# Altium PCB HIL_RIG_REV_1_1.PcbDoc (part 3 of 5)
Units mil, origin at the board's own origin, x right, y up, seen from the top; angles counter-clockwise.
Board outline 16250 x 7870 mil, 6 copper layers (Top Layer, Int1 (GND), Int2 (PWR), Int3 (Sign), Int4 (GND), Bottom Layer), stack 60.566 mil thick; 1117 components, 704 nets, 3589 pads, 6 vias.
Unrouted connection lines stored in the file: 2596.
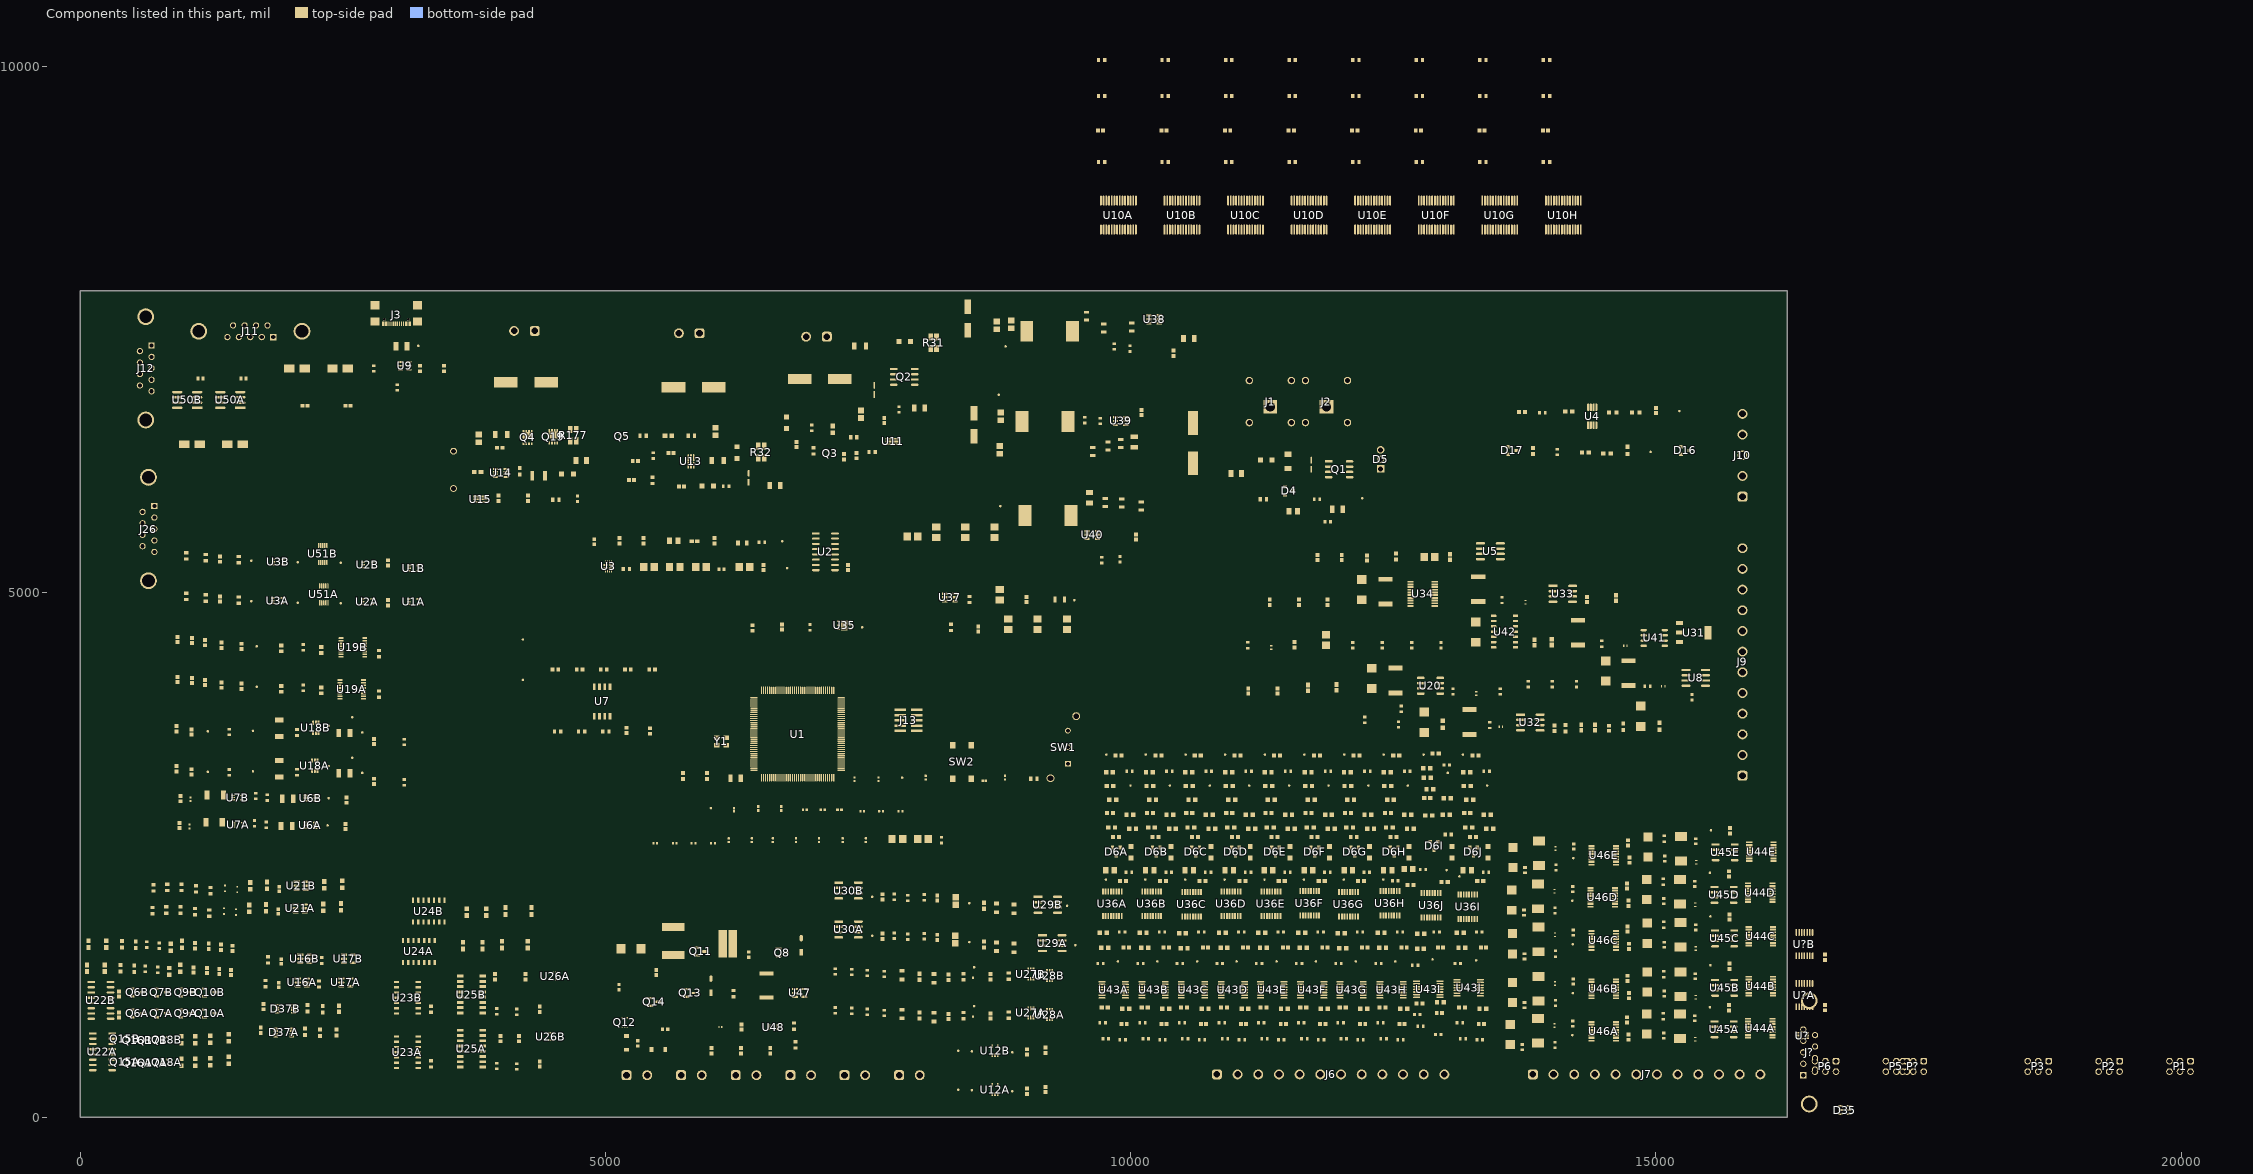
[diagram p5: the components of this part, seen from the top]

## Components (designator, comment, footprint, x,y, rotation, side; value= is the part's Value field where it differs from the comment) (continued)
TP28E "TPAD6R" TP06R 11275,2265 r0 top (schematic designator TP28)
TP28F "TPAD6R" TP06R 11650,2265 r0 top (schematic designator TP28)
TP28G "TPAD6R" TP06R 12030,2265 r0 top (schematic designator TP28)
TP28H "TPAD6R" TP06R 12405,2265 r0 top (schematic designator TP28)
TP28I "TPAD6R" TP06R 13008.7,2355 r0 top (schematic designator TP28)
TP28J "TPAD6R" TP06R 13130.68,2295 r0 top (schematic designator TP28)
TP29A "TPAD6R" TP06R 9999.32,3160 r0 top (schematic designator TP29)
TP29B "TPAD6R" TP06R 10374.32,3160 r0 top (schematic designator TP29)
TP29C "TPAD6R" TP06R 10754.32,3160 r0 top (schematic designator TP29)
TP29D "TPAD6R" TP06R 11129.32,3160 r0 top (schematic designator TP29)
TP29E "TPAD6R" TP06R 11509.32,3160 r0 top (schematic designator TP29)
TP29F "TPAD6R" TP06R 11884.32,3160 r0 top (schematic designator TP29)
TP29G "TPAD6R" TP06R 12264.32,3160 r0 top (schematic designator TP29)
TP29H "TPAD6R" TP06R 12639.32,3160 r0 top (schematic designator TP29)
TP29I "TPAD6R" TP06R 13019.32,3280 r0 top (schematic designator TP29)
TP29J "TPAD6R" TP06R 13394.32,3160 r0 top (schematic designator TP29)
TP30A "TPAD6R" TP06R 9769.32,3455 r0 top (schematic designator TP30)
TP30B "TPAD6R" TP06R 10144.32,3455 r0 top (schematic designator TP30)
TP30C "TPAD6R" TP06R 10524.32,3455 r0 top (schematic designator TP30)
TP30D "TPAD6R" TP06R 10899.32,3455 r0 top (schematic designator TP30)
TP30E "TPAD6R" TP06R 11279.32,3455 r0 top (schematic designator TP30)
TP30F "TPAD6R" TP06R 11654.32,3455 r0 top (schematic designator TP30)
TP30G "TPAD6R" TP06R 12034.32,3455 r0 top (schematic designator TP30)
TP30H "TPAD6R" TP06R 12409.32,3455 r0 top (schematic designator TP30)
TP30I "TPAD6R" TP06R 12789.32,3455 r0 top (schematic designator TP30)
TP30J "TPAD6R" TP06R 13164.32,3455 r0 top (schematic designator TP30)
TP31A "TPAD6R" TP06R 8360,265 r90 top (schematic designator TP31)
TP31B "TPAD6R" TP06R 8360,635 r90 top (schematic designator TP31)
TP32A "TPAD6R" TP06R 8490,260 r90 top (schematic designator TP32)
TP32B "TPAD6R" TP06R 8490,630 r90 top (schematic designator TP32)
TP33A "TPAD6R" TP06R 9475,1640 r90 top (schematic designator TP33)
TP33B "TPAD6R" TP06R 9395,2015 r90 top (schematic designator TP33)
TP34A "TPAD6R" TP06R 8465,1670 r90 top (schematic designator TP34)
TP34B "TPAD6R" TP06R 8465,2040 r90 top (schematic designator TP34)
TP35A "TPAD6R" TP06R 7540,1730 r90 top (schematic designator TP35)
TP35B "TPAD6R" TP06R 7540,2100 r90 top (schematic designator TP35)
TP36A "TPAD6R" TP06R 2481,4895 r90 top (schematic designator TP36)
TP36B "TPAD6R" TP06R 2481,5280 r90 top (schematic designator TP36)
TP37A "TPAD6R" TP06R 2071,4900 r90 top (schematic designator TP37)
TP37B "TPAD6R" TP06R 2071,5285 r90 top (schematic designator TP37)
TP38A "TPAD6R" TP06R 1631,4915 r90 top (schematic designator TP38)
TP38B "TPAD6R" TP06R 1631,5300 r90 top (schematic designator TP38)
U1 "STM32F446ZET6U" STM-LQFP144_N 6830,3650 r0 top
U1A "SN74LVC1G00DCKR" DCK0005A_N 3175,4910 r0 top (schematic designator U1)
U1B "SN74LVC1G00DCKR" DCK0005A_N 3175.71,5229.41 r0 top (schematic designator U1)
U2 "MC74HC238ADR2G" FP-751B-05-IPC_C 7095,5385 r0 top
U2A "SN74LVC1G00DCKR" DCK0005A_N 2735,4910 r0 top (schematic designator U2)
U2B "SN74LVC1G00DCKR" DCK0005A_N 2740,5260 r0 top (schematic designator U2)
U3 "TPS2121RUXT" FP-RUX0012A-MFG 5030,5245 r0 top
U3A "SN74LVC1G00DCKR" DCK0005A_N 1880,4920 r0 top (schematic designator U3)
U3B "SN74LVC1G00DCKR" DCK0005A_N 1885.71,5289.41 r0 top (schematic designator U3)
U4 "TLV9062IDGKR" FP-DGK0008A-IPC_A 14395,6675 r90 top
U5 "LT1763CS8-5#PBF" LT-S8-8_N 13425,5390 r0 top
U6A "SN74LVC1T45DCKR" DCK0006A_M 2191.77,2780.59 r0 top (schematic designator U6)
U6B "SN74LVC1T45DCKR" DCK0006A_M 2196.77,3040.59 r0 top (schematic designator U6)
U7 "W25Q128JVSIQ_TR" SOIC127P780X195-8N 4970,3960 r90 top
U7A "TPD2E001DRLR" DRL0005A_M 1505,2785 r0 top value=1.5pF (schematic designator U7)
U7B "TPD2E001DRLR" DRL0005A_M 1498.66,3044.69 r0 top value=1.5pF (schematic designator U7)
U8 "OPA2196ID" FP-D0008A-IPC_B 15380,4185 r0 top
U9 "IP4234CZ6,125" Nexperia_SOT457_IPC_C 3090,7155 r0 top
U10A "MCP23017-E/SS" SSOP-SS28_M 9884.32,8590 r270 top (schematic designator U10)
U10B "MCP23017-E/SS" SSOP-SS28_M 10489.32,8590 r270 top (schematic designator U10)
U10C "MCP23017-E/SS" SSOP-SS28_M 11094.32,8590 r270 top (schematic designator U10)
U10D "MCP23017-E/SS" SSOP-SS28_M 11699.32,8590 r270 top (schematic designator U10)
U10E "MCP23017-E/SS" SSOP-SS28_M 12304.32,8590 r270 top (schematic designator U10)
U10F "MCP23017-E/SS" SSOP-SS28_M 12909.32,8590 r270 top (schematic designator U10)
U10G "MCP23017-E/SS" SSOP-SS28_M 13514.32,8590 r270 top (schematic designator U10)
U10H "MCP23017-E/SS" SSOP-SS28_M 14119.32,8590 r270 top (schematic designator U10)
U11 "INA181A3IDCKR" FP-DCK0006A-IPC_A 7734.03,6435.59 r0 top
U12A "SN74LVC1G04DCKR" DCK0005A_N 8710,265 r90 top (schematic designator U12)
U12B "SN74LVC1G04DCKR" DCK0005A_N 8710,635 r90 top (schematic designator U12)
U13 "INA181A3IDCKR" FP-DCK0006A-IPC_A 5815,6245 r90 top
U14 "LTC4365CTS8#TRPBF" LT-TS8-8-TSOT-23_V 4005,6135 r0 top
U15 "INA181A3IDCKR" FP-DCK0006A-IPC_A 3809.03,5885.59 r0 top
U16A "TPS22918DBVR" FP-DBV0006A-IPC_B 2115,1285 r0 top (schematic designator U16)
U16B "TPS22918DBVR" FP-DBV0006A-IPC_B 2140,1510 r0 top (schematic designator U16)
U17A "SN74LVC1G04DBVT" FP-DBV0005A-IPC_B 2530,1285 r0 top (schematic designator U17)
U17B "SN74LVC1G04DBVT" FP-DBV0005A-IPC_B 2555,1510 r0 top (schematic designator U17)
U18A "SN74LVC1T45DCKR" DCK0006A_M 2235,3350 r90 top (schematic designator U18)
U18B "SN74LVC1T45DCKR" DCK0006A_M 2244.41,3708.23 r90 top (schematic designator U18)
U19A "TRSF3221EIPWR" PW0016A_L 2585,4075 r0 top (schematic designator U19)
U19B "TRSF3221EIPWR" PW0016A_L 2597.8,4473.98 r0 top (schematic designator U19)
U20 "ADR4550ARZ" ADI-R-8_L 12855,4110 r0 top
U21A "TPS22918DBVR" FP-DBV0006A-IPC_B 2095,1990 r0 top (schematic designator U21)
U21B "TPS22918DBVR" FP-DBV0006A-IPC_B 2105,2205 r0 top (schematic designator U21)
U22A "MC74HC238ADR2G" FP-751B-05-IPC_C 213.42,625 r0 top (schematic designator U22)
U22B "MC74HC238ADR2G" FP-751B-05-IPC_C 198.42,1115 r0 top (schematic designator U22)
U23A "SN74LVC125AQDRQ1" D0014A_L 3116,620 r0 top (schematic designator U23)
U23B "SN74LVC125AQDRQ1" D0014A_L 3116,1140 r0 top (schematic designator U23)
U24A "SN74LVC125AQDRQ1" D0014A_L 3225,1580 r90 top (schematic designator U24)
U24B "SN74LVC125AQDRQ1" D0014A_L 3320,1965 r90 top (schematic designator U24)
U25A "74HC138D,653" SOIC127P600X175-16N 3726,655 r0 top (schematic designator U25)
U25B "74HC138D,653" SOIC127P600X175-16N 3726,1170 r0 top (schematic designator U25)
U26A "TPD4E1B06DRLR" SOTFL50P160X60-6N 4525,1345 r90 top (schematic designator U26)
U26B "TPD4E1B06DRLR" SOTFL50P160X60-6N 4480,770 r90 top (schematic designator U26)
U27A "SN74LVC1G3157DCKR" FP-DCK0006A-MFG 9050,995 r90 top value=15Ω (schematic designator U27)
U27B "SN74LVC1G3157DCKR" FP-DCK0006A-MFG 9050,1365 r90 top value=15Ω (schematic designator U27)
U28A "SN74LVC1G3157DCKR" FP-DCK0006A-MFG 9230,980 r90 top value=15Ω (schematic designator U28)
U28B "SN74LVC1G3157DCKR" FP-DCK0006A-MFG 9230,1350 r90 top value=15Ω (schematic designator U28)
U29A "TLV3501AID" FP-D0008A-IPC_B 9255,1660 r0 top (schematic designator U29)
U29B "TLV3501AID" FP-D0008A-IPC_B 9211.94,2025 r0 top (schematic designator U29)
U30A "TLV3501AID" FP-D0008A-IPC_B 7315,1790 r0 top (schematic designator U30)
U30B "TLV3501AID" FP-D0008A-IPC_B 7315,2160 r0 top (schematic designator U30)
U31 "LT3080EST#PBF" LT-ST-3-SOT-223_M 15360,4615 r0 top
U32 "OPA2196ID" FP-D0008A-IPC_B 13805,3760 r0 top
U33 "OPA2196ID" FP-D0008A-IPC_B 14115,4985 r0 top
U34 "MCP48CVB28T-20E_ST" SOP65P640X120-20N 12780,4985 r0 top
U35 "LD39050PU33R" DFN6D_L 7275,4685 r0 top
U36A "74HC151PW,118" SOP65P640X110-16N 9826.22,2035 r270 top (schematic designator U36)
U36B "74HC151PW,118" SOP65P640X110-16N 10201.22,2035 r270 top (schematic designator U36)
U36C "74HC151PW,118" SOP65P640X110-16N 10581.22,2030 r270 top (schematic designator U36)
U36D "74HC151PW,118" SOP65P640X110-16N 10956.22,2035 r270 top (schematic designator U36)
U36E "74HC151PW,118" SOP65P640X110-16N 11336.22,2035 r270 top (schematic designator U36)
U36F "74HC151PW,118" SOP65P640X110-16N 11705,2040 r270 top (schematic designator U36)
U36G "74HC151PW,118" SOP65P640X110-16N 12075,2030 r270 top (schematic designator U36)
U36H "74HC151PW,118" SOP65P640X110-16N 12470,2040 r270 top (schematic designator U36)
U36I "74HC151PW,118" SOP65P640X110-16N 13210,2005 r270 top (schematic designator U36)
U36J "74HC151PW,118" SOP65P640X110-16N 12860,2020 r270 top (schematic designator U36)
U37 "TPS561208DDCR" SOT95P280X110-6N 8280,4950 r0 top
U38 "LMR51625XDDCR" SOT95P280X110-6N 10224.21,7597.4 r0 top
U39 "LMR51625XDDCR" SOT95P280X110-6N 9905,6630 r0 top
U40 "LMR51625XDDCR" SOT95P280X110-6N 9635,5545 r0 top
U41 "ISP762TFUMA1" INF-PG-DSO-8-3_L 14985,4565 r0 top value=70mΩ
U42 "SN74AHCT125DR" D0014A_L 13560,4625 r0 top
U43A "LM2901PWR" FP-PW0014A-IPC_B 9839.32,1215 r0 top (schematic designator U43)
U43B "LM2901PWR" FP-PW0014A-IPC_B 10219.32,1215 r0 top (schematic designator U43)
U43C "LM2901PWR" FP-PW0014A-IPC_B 10594.32,1215 r0 top (schematic designator U43)
U43D "LM2901PWR" FP-PW0014A-IPC_B 10974.32,1215 r0 top (schematic designator U43)
U43E "LM2901PWR" FP-PW0014A-IPC_B 11349.32,1215 r0 top (schematic designator U43)
U43F "LM2901PWR" FP-PW0014A-IPC_B 11729.32,1215 r0 top (schematic designator U43)
U43G "LM2901PWR" FP-PW0014A-IPC_B 12104.32,1215 r0 top (schematic designator U43)
U43H "LM2901PWR" FP-PW0014A-IPC_B 12484.32,1215 r0 top (schematic designator U43)
U43I "LM2901PWR" FP-PW0014A-IPC_B 12834.32,1220 r0 top (schematic designator U43)
U43J "LM2901PWR" FP-PW0014A-IPC_B 13218.76,1235 r0 top (schematic designator U43)
U44A "TMUX4052PWR" SOP65P640X120-16N 15995,850 r0 top (schematic designator U44)
U44B "TMUX4052PWR" SOP65P640X120-16N 16000,1250 r0 top (schematic designator U44)
U44C "TMUX4052PWR" SOP65P640X120-16N 16000,1725 r0 top (schematic designator U44)
U44D "TMUX4052PWR" SOP65P640X120-16N 15995,2140 r0 top (schematic designator U44)
U44E "TMUX4052PWR" SOP65P640X120-16N 16005,2530 r0 top (schematic designator U44)
U45A "OPA2990IDR" FP-D0008A-IPC_C 15650,839.32 r0 top (schematic designator U45)
U45B "OPA2990IDR" FP-D0008A-IPC_C 15655,1234.32 r0 top (schematic designator U45)
U45C "OPA2990IDR" FP-D0008A-IPC_C 15655,1704.32 r0 top (schematic designator U45)
U45D "OPA2990IDR" FP-D0008A-IPC_C 15650,2119.32 r0 top (schematic designator U45)
U45E "OPA2990IDR" FP-D0008A-IPC_C 15660,2524.32 r0 top (schematic designator U45)
U46A "TMUX4052PWR" SOP65P640X120-16N 14505,820 r0 top (schematic designator U46)
U46B "TMUX4052PWR" SOP65P640X120-16N 14505,1225 r0 top (schematic designator U46)
U46C "TMUX4052PWR" SOP65P640X120-16N 14505,1685 r0 top (schematic designator U46)
U46D "TMUX4052PWR" SOP65P640X120-16N 14495,2095 r0 top (schematic designator U46)
U46E "TMUX4052PWR" SOP65P640X120-16N 14505,2495 r0 top (schematic designator U46)
U47 "UCC27517AQDBVRQ1" FP-DBV0005A-IPC_B 6850,1185 r0 top
U48 "SN74LVC1T45DRLR" DRL0006A_M 6600,860 r0 top
U50A "SN65HVD230DR" FP-D0008A-IPC_A 1430,6830 r180 top (schematic designator U50)
U50B "SN65HVD230DR" FP-D0008A-IPC_A 1020,6830 r180 top (schematic designator U50)
U51A "TMUX1204DGSR" FP-DGS0010A-IPC_C 2320,4980 r90 top value=9Ω (schematic designator U51)
U51B "TMUX1204DGSR" FP-DGS0010A-IPC_C 2310,5365 r90 top value=9Ω (schematic designator U51)
U? "SN74LVC1G3157DCKR" FP-DCK0006A-MFG 16395,780 r0 top value=15Ω
U?A "TMUX1511PWR" FP-PW0014A-IPC_B 16415,1165 r90 top (schematic designator U?)
U?B "TMUX1511PWR" FP-PW0014A-IPC_B 16415,1650 r90 top (schematic designator U?)
Y1 "ECS-160-12-33-AGN-TR3" ECS1601233AGNTR3 6105,3580 r0 top
Y2 "NX3215SA-32.768KHZ-EXS00A-MU00525" FP-NX3215SA-MFG 6240,3230 r0 top

## Footprints (in the part's own frame and the unit in brackets; to place one, negate y for a bottom-side part, rotate by r counter-clockwise, add the part's x,y. Pads: shape width x height; smd on the part's side, far side on the other; paste and mask are expansions set on the pad)
61200621721 [mm] "6 pins, right angled, gold plating"
  rrect50% 1.6x1.6 hole 1.1: 1(2.54,8.805)
  round 1.6 hole 1.1: 2(2.54,6.265) 3(0,8.805) 4(0,6.265) 5(-2.54,8.805) 6(-2.54,6.265)
  silkscreen extent -7.72,-4.5 7.72,4.5, body extent -7.64,-4.43 7.64,9.12, height 9.23
62731020621 [mm] "Boc Header SMT type, 10p"
  rect 0.65x2.76 smd: 1(-2.54,-2.02) 2(-2.54,2.02) 3(-1.27,-2.02) 4(-1.27,2.02) 5(0,-2.02) 6(0,2.02) 7(1.27,-2.02) 8(1.27,2.02) 9(2.54,-2.02) 10(2.54,2.02)
  silkscreen extent -6.43,-4.03 6.43,2.6, body extent -6.35,-2.75 6.35,2.76, height 5.3
691313710002 [mm] "5.00mm - Closed Horizhontal PCB Header - -02p"
  rrect50% 2.4x2.4 hole 1.6: 1(-2.5,4)
  round 2.4 hole 1.6: 2(2.5,4)
  silkscreen extent -6,-6 6,6, body extent -6,-6 6,6, height 8.55
691313710005 [mm] "5.00mm - Closed Horizhontal PCB Header - -05p"
  rrect50% 2.4x2.4 hole 1.6: 1(-10,4)
  round 2.4 hole 1.6: 2(-5,4) 3(0,4) 4(5,4) 5(10,4)
  silkscreen extent -13.5,-6 13.5,6, body extent -13.5,-6 13.5,6, height 8.55
691313710012 [mm] "5.00mm - Closed Horizhontal PCB Header - -12p"
  rrect50% 2.4x2.4 hole 1.6: 1(-27.5,4)
  round 2.4 hole 1.6: 2(-22.5,4) 3(-17.5,4) 4(-12.5,4) 5(-7.5,4) 6(-2.5,4) 7(2.5,4) 8(7.5,4) 9(12.5,4) 10(17.5,4) 11(22.5,4) 12(27.5,4)
  silkscreen extent -31,-6 31,6, body extent -31,-6 31,6, height 8.55
ADI-R-8_L [mm] "SOIC, 8-Leads, Body 4.9x3.9mm, Pitch 1.27mm, IPC High Density"
  oval 1.9x0.6 smd: 1(-2.35,1.905) 2(-2.35,0.635) 3(-2.35,-0.635) 4(-2.35,-1.905) 5(2.35,-1.905) 6(2.35,-0.635) 7(2.35,0.635) 8(2.35,1.905)
  silkscreen extent -2.47,-2.5 1,2.88, body extent -2,-2.5 2,2.5, height 1.75
ASSMANN_A-DS_09_A_KG-T2S [mm]
  rect 1.508x1.508 / inner round 1.508 / far side rect 1.508x1.508 hole 1: 1(-5.54,1.42)
  round 1.508 hole 1: 2(-2.77,1.42) 3(0,1.42) 4(2.77,1.42) 5(5.54,1.42) 6(-4.155,-1.42) 7(-1.385,-1.42) 8(1.385,-1.42) 9(4.155,-1.42)
  round 4.066 hole 3.05: SH1(-12.495,0) SH2(12.495,0)
  silkscreen extent -15.41,-9.5 15.41,3.9, body extent -15.41,-15.55 15.41,3.05, height 12.8
CAPC0402(1005)60_L [mm] "Chip Capacitor, Body 1.0x0.5mm, Height 0.6mm, IPC High Density"
  rrect25% 0.5x0.55 smd: 1(-0.45,0) 2(0.45,0)
  silkscreen extent 0,-0.2 0,0.2, body extent -0.5,-0.25 0.5,0.25, height 0.6
CAPC0603(1608)100_L [mm] "Chip Capacitor, Body 1.6x0.8mm, Height 1.0mm, IPC High Density"
  rrect25% 0.66x0.76 smd: 1(-0.7,0) 2(0.7,0)
  silkscreen extent 0,-0.3 0,0.3, body extent -0.8,-0.4 0.8,0.4, height 0.95
CAPC1608X90X35LL15T15 [mm] "Chip Capacitor, 2-Leads, Body 1.60x0.81mm, IPC High Density"
  rect 0.85x0.9 smd: 1(-0.65,0) 2(0.65,0)
  body extent -0.88,-0.48 0.87,0.48, height 0.9
CAPC1608X90X40LL10T20 [mm] "Chip Capacitor, 2-Leads, Body 1.70x0.90mm, IPC High Density"
  rect 0.85x0.85 smd: 1(-0.575,0) 2(0.575,0)
  body extent -0.85,-0.45 0.85,0.45, height 0.9
CAPC1608X90X40NL10T20 [mm] "Chip Capacitor, 2-Leads, Body 1.70x0.90mm, IPC Medium Density"
  rect 0.95x0.95 smd: 1(-0.625,0) 2(0.625,0)
  body extent -0.85,-0.45 0.85,0.45, height 0.9
CAPC2113X120X50ML20T30 [mm] "Chip Capacitor, 2-Leads, Body 2.05x1.25mm, IPC Low Density"
  rect 1.55x1.55 smd: 1(-0.9,0) 2(0.9,0)
  body extent -1.13,-0.72 1.12,0.72, height 1.2
D0014A_L [mm] "SOIC, 14-Leads, Body 8.75x4mm, Pitch 1.27mm, IPC High Density"
  rrect18% 1.25x0.55 smd: 1(-2.625,3.81) 2(-2.625,2.54) 3(-2.625,1.27) 4(-2.625,0) 5(-2.625,-1.27) 6(-2.625,-2.54) 7(-2.625,-3.81) 8(2.625,-3.81) 9(2.625,-2.54) 10(2.625,-1.27) 11(2.625,0) 12(2.625,1.27) 13(2.625,2.54) 14(2.625,3.81)
  silkscreen extent -2.75,-4.38 1.6,4.76, body extent -3.02,-4.32 3.02,4.32, height 1.59
DCK0005A_N [mm] "SOT23, 5-Leads, Body 2.15x1.4mm, Pitch 0.65mm, IPC Medium Density"
  rrect25% 0.85x0.4 smd: 1(-1.125,0.65) 2(-1.125,0) 3(-1.125,-0.65) 4(1.125,-0.65) 5(1.125,0.65)
  silkscreen extent -1.25,-1.1 0.3,1.52, body extent -1.14,-1 1.14,1, height 0.94
DCK0006A_M [mm] "SOT23, 6-Leads, Body 2.15x1.4mm, Pitch 0.65mm, IPC Low Density"
  rrect22% 1.05x0.45 smd: 1(-1.225,0.65) 2(-1.225,0) 3(-1.225,-0.65) 4(1.225,-0.65) 5(1.225,0) 6(1.225,0.65)
  silkscreen extent -1.35,-1.1 0.3,1.55, body extent -1.14,-1 1.14,1, height 0.94
DFN6D_L [mm] "SON, 6-Leads, Body 3x3mm, Pitch 0.95mm, Thermal Pad 2.4x1.65mm, IPC High Density"
  oval 0.7x0.4 smd: 1(-1.425,0.95) 2(-1.425,0) 3(-1.425,-0.95) 4(1.425,-0.95) 5(1.425,0) 6(1.425,0.95)
  rect 1.65x2.4 smd: 7(0,0)
  silkscreen extent -2.15,-1.7 1.7,1.75, body extent -1.55,-1.55 1.55,1.55, height 0.95
DIOD-SOT23-3_A_V [mm] "SOT23, 3-Leads, Body 3x1.40mm, Pitch 0.915mm"
  rect 0.9x0.8 smd: 1(-1,0.915) 2(-1,-0.915) 3(1,0)
  silkscreen extent -1.12,-1.5 0.7,1.98, body extent -1.25,-1.5 1.25,1.5, height 1.1
DMP3036SFV7 [mm]
  rect 0.42x0.7 smd: 1(-0.975,-1.5) 2(-0.325,-1.5) 3(0.325,-1.5) 4(0.975,-1.5)
  rect 0.42x0.54 smd: 5(0.975,1.58) 6(0.325,1.58) 7(-0.325,1.58) 8(-0.975,1.58)
  rect 2.37x1.71 smd: 9(0,0.455)
  silkscreen extent -1.53,-2.3 1.53,1.53, body extent -1.65,-0.15 1.65,3.15, height 0.8
DRL0005A_M [mm] "SOT23, 5-Leads, Body 1.7x1.3mm, Pitch 0.5mm, IPC Low Density"
  rrect33% 0.8x0.3 smd: 1(-1.05,0.5) 2(-1.05,0) 3(-1.05,-0.5) 4(1.05,-0.5) 5(1.05,0.5)
  silkscreen extent -1.17,-0.85 0.25,1.32, body extent -0.65,-0.85 0.65,0.85, height 0.6
DRL0006A_M [mm] "SOT23, 6-Leads, Body 1.7x1.3mm, Pitch 0.5mm, IPC Low Density"
  rrect33% 0.75x0.3 smd: 1(-1.025,0.5) 2(-1.025,0) 3(-1.025,-0.5) 4(1.025,-0.5) 5(1.025,0) 6(1.025,0.5)
  silkscreen extent -1.15,-0.85 0.25,1.32, body extent -0.65,-0.85 0.65,0.85, height 0.6
ECS1601233AGNTR3 [mm]
  rect 1.3x1.1 smd: 1(-1.15,-0.9) 2(1.15,-0.9) 3(1.15,0.9) 4(-1.15,0.9)
  silkscreen extent -1.25,-2 0.2,1.25, body extent -1.69,-1.34 1.69,1.34, height 0.9
ESD501DPYR [mm]
  rect 0.3x0.5 smd: 1(-0.35,0) 2(0.35,0)
  silkscreen extent -1.1,-0.05 -1,0.05, body extent -0.5,-0.3 0.5,0.3, height 0.4
FAIR-DO-41-2_V [mm] "2-Leads, Axial leaded, Body 2.72x5.2mm, Pin Spacing 9mm"
  round 1.65 hole 1.15: 1(-4.5,0) 2(4.5,0)
  silkscreen extent -2.6,-1.36 2.6,1.36, body extent -4.93,-1.36 4.93,1.36, height 2.71
FCR7350B [mm]
  rect 3.3x3.3 hole 2.2: 1(0,0)
  round 1.8 hole 1.2: 2(-6.36,5.08) 3(-6.36,-5.08) 4(3.8,-5.08) 5(3.8,5.08)
  silkscreen extent -27.85,-6 6.1,6, body extent -27.51,-6.02 5.49,5.98, height 12.45
FCR7350R [mm]
  rect 3.3x3.3 hole 2.2: 1(0,0)
  round 1.8 hole 1.2: 2(-6.36,-5.08) 3(3.8,-5.08) 4(3.8,5.08) 5(-6.36,5.08)
  silkscreen extent -27.5,-6.6 5.5,6, body extent -27.5,-6 5.5,6, height 11.49
FP-0ZCM0001FF2G-MFG [mm]
  rect 0.6x0.8 smd paste+0 mask+0: 1(-0.7,0) 2(0.7,0)
  silkscreen extent 0,-0.5 0,0.5, body extent -1.1,-0.6 1.1,0.6, height 0.25
FP-0402-L_1_0_1-W_0_5_0_1-IPC_C [mil]
  rect 22.88x20.16 smd paste+0 mask+0: 1(-14.39,0) 2(14.39,0)
  silkscreen extent -26,-28 26,28, body extent -30,-16 30,16, height 10
FP-0466-MFG [mil]
  rect 45x80 smd paste+0 mask+0: 1(-52.5,0) 2(52.5,0)
  silkscreen extent -15,-32 15,32, body extent -79,-44 79,44, height 10
FP-751B-05-IPC_C [mil]
  rect 73x20.74 smd paste+0 mask+0: 1(-91.58,175)
  rrect100% 73x20.74 smd paste+0 mask+0: 2(-91.58,125) 3(-91.58,75) 4(-91.58,25) 5(-91.58,-25) 6(-91.58,-75) 7(-91.58,-125) 8(-91.58,-175) 9(91.58,-175) 10(91.58,-125) 11(91.58,-75) 12(91.58,-25) 13(91.58,25) 14(91.58,75) 15(91.58,125) 16(91.58,175)
  silkscreen extent -153,-195 35,195, body extent -132,-199 132,199, height 10
FP-AC0603-IPC_C [mil]
  rect 25.93x31.97 smd paste+0 mask+0: 1(-26.64,0) 2(26.64,0)
  silkscreen extent -40,-33 40,33, body extent -44,-22 44,22, height 10
FP-BLM15-0_05-IPC_A [mil]
  rect 28.16x26.48 smd paste+0 mask+0: 1(-18.84,0) 2(18.84,0)
  silkscreen extent -33,-29 33,29, body extent -41,-21 41,21, height 10
FP-C0603C-CF-IPC_B [mil]
  rect 39.63x37.73 smd paste+0 mask+0: 1(-28.58,0) 2(28.58,0)
  silkscreen extent -48,-35 48,35, body extent -58,-29 58,29, height 10
FP-C0603C-CF-MFG [mm]
  rect 0.75x0.9 smd paste+0 mask+0: 1(-0.6,0) 2(0.6,0)
  silkscreen extent -0.87,-0.85 0.88,0.85, body extent -1.2,-0.6 1.2,0.6, height 0.25
FP-C-06527-IPC_B [mil]
  rect 72.24x23.03 smd paste+0 mask+0: 1(-99.83,75)
  rrect100% 72.24x23.03 smd paste+0 mask+0: 2(-99.83,25) 3(-99.83,-25) 4(-99.83,-75) 5(99.83,-75) 6(99.83,-25) 7(99.83,25) 8(99.83,75)
  silkscreen extent -164,-96 44,96, body extent -146,-106 146,106, height 10
FP-CC0402-IPC_C [mil]
  rect 18.43x18.6 smd paste+0 mask+0: 1(-15.83,0) 2(15.83,0)
  silkscreen extent -25,-27 25,27, body extent -29,-15 29,15, height 10
FP-CC0603-DB-IPC_B [mil]
  rect 43.55x37.73 smd paste+0 mask+0: 1(-26.62,0) 2(26.62,0)